# Altium PCB PCB-Tester-Board-V1.PcbDoc (part 7 of 7)
Units mil, origin at the board's own origin, x right, y up, seen from the top; angles counter-clockwise.
Board outline 15748.03 x 11811.02 mil, 8 copper layers (Top Layer, Inner1, Inner2, Inner3, Inner4, Inner5, Inner6, Bottom Layer), stack 59.646 mil thick; 751 components, 658 nets, 2830 pads, 1014 vias.
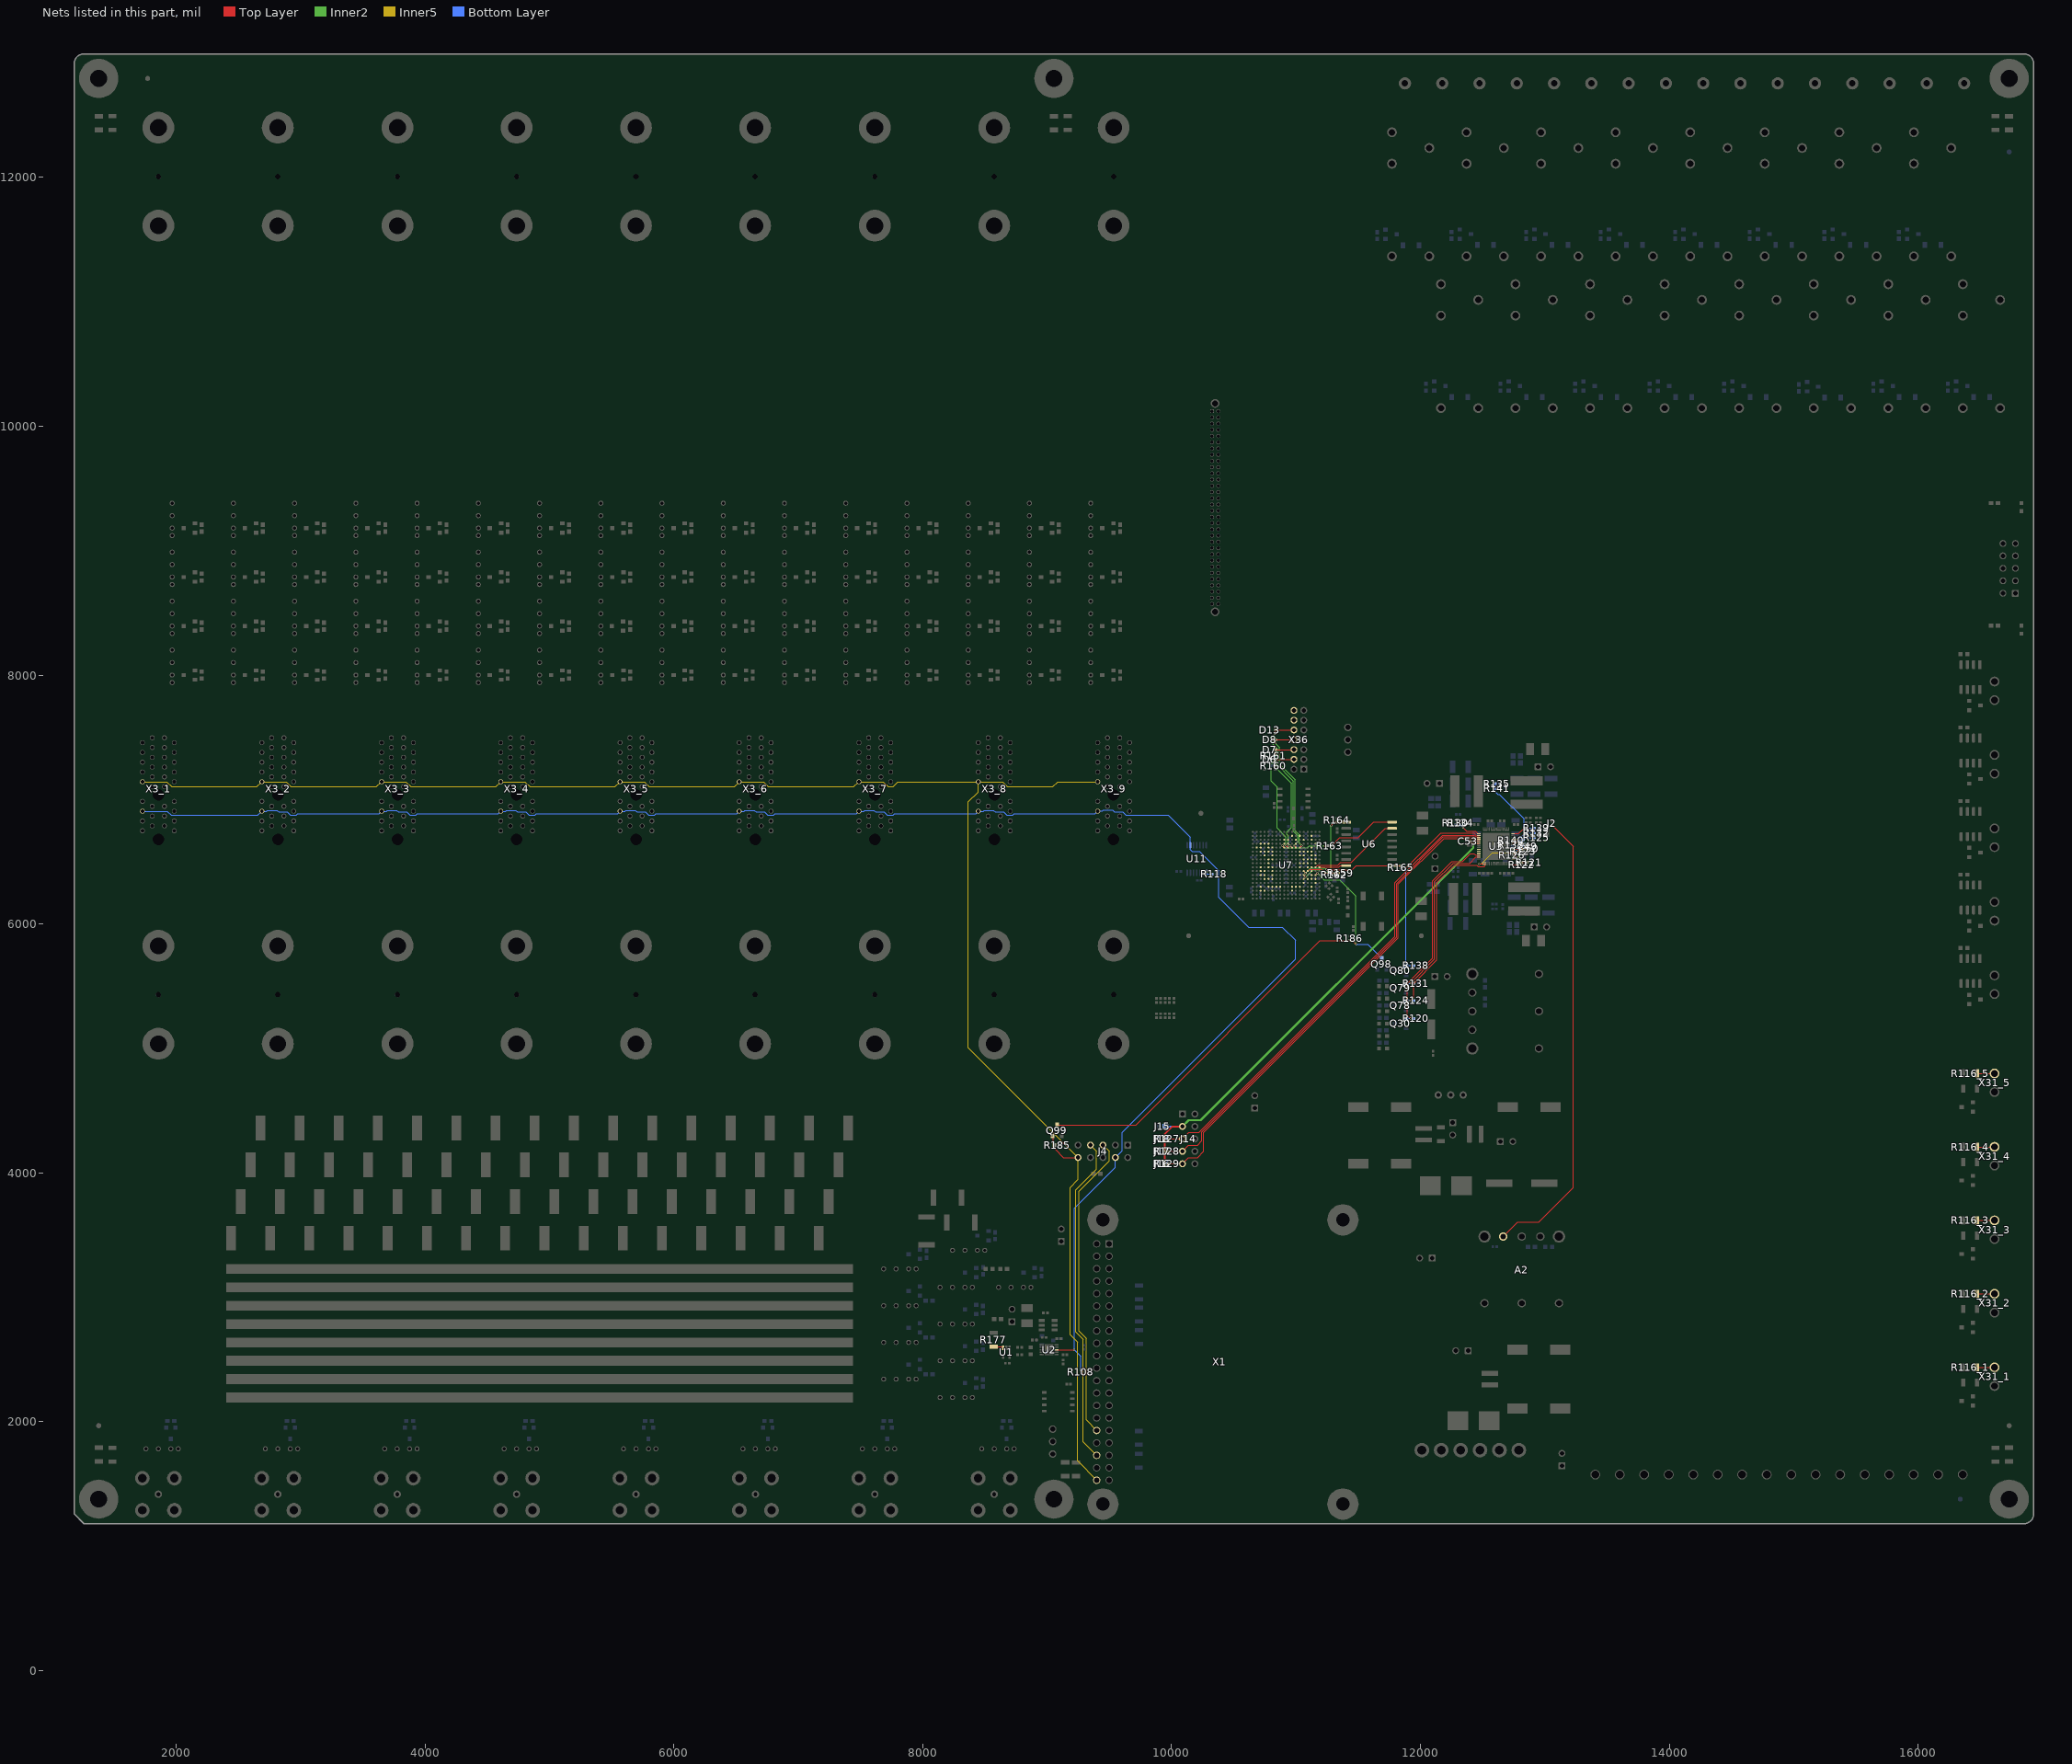
[diagram p13: the nets of this part, all layers, seen from the top]

## Via types
v1: diameter 15.75, hole 7.87, Top Layer to Bottom Layer, 599 vias
v2: diameter 31.5, hole 11.81, Top Layer to Bottom Layer, 361 vias
v3: diameter 27.56, hole 11.81, Top Layer to Bottom Layer, 54 vias

## Nets (pads, with @x,y where several pads share a name; then routed paths per layer and width w, separated by ;. In a path a pad name is that pad's centre, name@x,y a point inside that pad or via, vN(x,y) a via of type N, cw(c..) or ccw(c..) an arc to the next point about the centre after c; other vN are vias at no path point) (continued)
NetR116_1_1: R116_1.1 X31_1.2 | length 141.7
  Top Layer w8: R116_1.1@16472.44,2437.2 X31_1.2@16614.17,2437.2
NetR116_2_1: R116_2.1 X31_2.2 | length 141.7
  Top Layer w8: R116_2.1@16472.44,3027.76 X31_2.2@16614.17,3027.76
NetR116_3_1: R116_3.1 X31_3.2 | length 141.7
  Top Layer w8: R116_3.1@16472.44,3618.31 X31_3.2@16614.17,3618.31
NetR116_4_1: R116_4.1 X31_4.2 | length 141.7
  Top Layer w8: R116_4.1@16472.44,4208.86 X31_4.2@16614.17,4208.86
NetR116_5_1: R116_5.1 X31_5.2 | length 141.7
  Top Layer w8: R116_5.1@16472.44,4799.41 X31_5.2@16614.17,4799.41
NetR118_2: R118.2 U11.8 | length 55
  Bottom Layer w6: U11.8@10279.53,6411.42 10279.53,6405.15 10283.12,6401.56 R118.2@10326.75,6401.56
NetR121_1: R121.1 R122.1 U3.42 | length 165.9
  Top Layer w6: U3.42@12710.63,6486.22 12710.63,6476.97 12711.96,6475.64 12788.17,6475.64 12798.65,6486.12 12808.96,6486.12 R122.1@12814.96,6492.13 12818.9,6496.06 R121.1@12858.27,6496.06
NetR125_1: R125.1 R126.1 U3.44 | length 322.9
  Top Layer w6: U3.44@12746.06,6537.4 v1(12781.28,6537.4)
  Bottom Layer w6: v1(12781.28,6537.4) 12781.14,6537.54 12769.55,6537.54 R126.1@12751.97,6555.12 12779.95,6583.1 12779.95,6606.87 12803.37,6630.28 12803.37,6655.44 12811.45,6663.53 12824.28,6663.53 12853.67,6692.91 R125.1@12917.32,6692.91
NetR130_1: R130.1 R134.2 U3.15 | length 216.1
  Top Layer w6: v1(12343.55,6774.61) 12372.19,6745.98 12440.96,6745.98 12459.23,6727.71 12469.14,6727.71 U3.15@12470.47,6726.38
  Bottom Layer w6: R134.2@12322.65,6795.75 12330.48,6787.92 12330.48,6787.68 v1(12343.55,6774.61)
  Bottom Layer w10: R130.1@12283.28,6795.75 R134.2@12322.65,6795.75
NetR132_1: R132.1 R133.1 U3.51 | length 249.5
  Top Layer w6: U3.51@12746.06,6647.64 12746.97,6648.54 12763.16,6648.54 12769.76,6655.13 12776.13,6655.13 v1(12778,6657)
  Bottom Layer w6: R133.1@12744.75,6633.63 12752.57,6641.46 12767.13,6656.01 12777.01,6656.01 v1(12778,6657) 12777.9,6657 12799.25,6678.35 12811.83,6678.35 12865.76,6732.28 R132.1@12917.32,6732.28
NetR135_1: R135.1 R141.2 U3.56 | length 566.8
  Top Layer w6: U3.56@12746.06,6726.38 12791.14,6726.38 v1@12832.93,6768.17
  Bottom Layer w6: R141.2@12601.33,7088.63 12601.33,7064.37 12622.57,7043.13 12634.87,7043.13 12832.68,6845.32 v1@12832.68,6768.43
  Bottom Layer w10: R141.2@12601.33,7088.63 R135.1@12601.33,7128
  other v1: 12832.68,6768.17
NetR139_1: R139.1 R140.1 U3.53 | length 240.5
  Top Layer w6: U3.53@12746.06,6679.13 12746.2,6679 v1(12773,6679)
  Bottom Layer w6: R140.1@12744.75,6673 12750.88,6679.13 12751.02,6679 v1(12773,6679) 12773.7,6679 12787.61,6692.91 12804.86,6692.91 12883.6,6771.65 R139.1@12917.32,6771.65
NetR159_1: R159.1 R162.2 U7.L15 | length 265.1
  Top Layer w5: U7.L15@11094.49,6425.2 11110.24,6440.94 11204.72,6440.94
  Top Layer w6: 11204.72,6440.94 11236.22,6409.45 ; R159.1@11338.67,6409.45 R159.1@11339.6,6408.52
  Top Layer w8: 11236.22,6409.45 11275.59,6409.45 R162.2@11305.97,6409.45 R159.1@11338.67,6409.45
NetR163_1: R163.1 U7.E9 | length 401.3
  Top Layer w6: v1(10889.76,6629.92) U7.E9@10905.51,6614.17 ; v1(11230.53,6629.52) 11255.82,6629.52 R163.1@11255.91,6629.43
  Inner2 w5: 10905.51,6614.17 11094.49,6614.17
  Inner2 w6: v1(10889.76,6629.92) 10905.51,6614.17 ; 11094.49,6614.17 11109.83,6629.52 v1(11230.53,6629.52)
NetR163_2: R163.2 U6.16 | length 563.6
  Top Layer w6: R163.2@11287.4,6629.43 11350.88,6692.91 11500,6692.91 11626.09,6819 U6.16@11772.45,6819
NetR164_1: R164.1 U6.1 U7.M14 | length 748.7
  Top Layer w6: U7.M14@11062.99,6393.7 v1(11078.74,6377.95) ; v1(11283.46,6790.35) 11312.01,6818.9 R164.1@11330.71,6818.9 11330.81,6819 U6.1@11403.55,6819
  Inner2 w6: v1(11078.74,6377.95) 11136.51,6435.73 11220.11,6435.73 11238.78,6417.05 11257.44,6417.05 11283.46,6443.08 v1(11283.46,6790.35)
NetR165_1: R165.1 U6.9 U7.L14 | length 821.3
  Top Layer w6: U7.L14@11062.99,6425.2 v1(11078.74,6409.45) ; v1(11248.03,6437.01) 11451.26,6437.01 11483.25,6469 U6.9@11772.45,6469 11772.94,6468.5 R165.1@11842.52,6468.5
  Inner2 w6: v1(11078.74,6409.45) 11118.89,6449.59 11235.44,6449.59 v1(11248.03,6437.01)
NetR177_1: R177.1 U1.3 | length 82.2
  Top Layer w6: R177.1@8569.96,2604.67 8639.42,2604.67 8645.67,2598.42 U1.3@8645.67,2594.49
NetU3_23: U3.23
NetU3_24: U3.24
NetU3_25: U3.25
NetU3_43: U3.43
NetU3_45: U3.45 U3.46 | length 53.4
  Top Layer w6: U3.45@12746.06,6553.15 12746.39,6553.48 12763.75,6553.48 12767.26,6556.99 12767.26,6565.07 12763.75,6568.58 12746.38,6568.58 U3.46@12746.23,6568.73
NetU6_8: U6.8 U7.K18 | length 219.7
  Top Layer w6: U7.K18@11188.98,6456.69 11343.68,6456.69 11355.99,6469 U6.8@11403.55,6469
NetU6_15: U6.15 U7.K17 | length 744.3
  Top Layer w5: 11173.23,6472.44 11204.72,6472.44
  Top Layer w6: U7.K17@11157.48,6456.69 11173.23,6472.44 ; 11204.72,6472.44 11337.6,6472.44 11359.05,6493.9 11443.31,6493.9 11718.42,6769 U6.15@11772.45,6769
NetU7_B11: U7.B11
NetU7_B13: U7.B13
NetU7_B16: U7.B16
NetU7_C9: U7.C9
NetU7_C10: U7.C10
NetU7_C12: U7.C12
NetU7_C14: U7.C14
NetU7_C16: U7.C16
NetU7_D3: U7.D3
NetU7_D4: U7.D4
NetU7_D5: U7.D5
NetU7_D9: U7.D9
NetU7_D10: U7.D10
NetU7_D12: U7.D12
NetU7_D17: U7.D17
NetU7_E2: U7.E2
NetU7_E3: U7.E3
NetU7_E5: U7.E5
NetU7_E6: U7.E6
NetU7_E16: U7.E16
NetU7_F3: U7.F3
NetU7_F4: U7.F4
NetU7_F5: U7.F5
NetU7_F6: U7.F6
NetU7_F13: U7.F13
NetU7_F14: U7.F14
NetU7_F15: U7.F15
NetU7_F16: U7.F16
NetU7_G4: U7.G4
NetU7_G6: U7.G6
NetU7_G13: U7.G13
NetU7_G14: U7.G14
NetU7_G16: U7.G16
NetU7_G17: U7.G17
NetU7_H5: U7.H5
NetU7_H6: U7.H6
NetU7_H14: U7.H14
NetU7_H15: U7.H15
NetU7_H16: U7.H16
NetU7_H17: U7.H17
NetU7_J5: U7.J5
NetU7_J13: U7.J13
NetU7_J14: U7.J14
NetU7_J15: U7.J15
NetU7_J17: U7.J17
NetU7_K3: U7.K3
NetU7_K5: U7.K5
NetU7_K6: U7.K6
NetU7_K13: U7.K13
NetU7_K15: U7.K15
NetU7_K16: U7.K16
NetU7_L3: U7.L3
NetU7_L4: U7.L4
NetU7_L6: U7.L6
NetU7_L16: U7.L16
NetU7_M3: U7.M3
NetU7_M4: U7.M4
NetU7_M6: U7.M6
NetU7_M13: U7.M13
NetU7_M16: U7.M16
NetU7_N4: U7.N4
NetU7_N5: U7.N5
NetU7_N6: U7.N6
NetU7_N14: U7.N14
NetU7_N15: U7.N15
NetU7_N16: U7.N16
NetU7_N17: U7.N17
NetU7_P14: U7.P14
NetU7_P17: U7.P17
NetU7_R3: U7.R3
NetU7_R5: U7.R5
NetU7_R6: U7.R6
NetU7_R7: U7.R7
NetU7_R8: U7.R8
NetU7_R11: U7.R11
NetU7_R12: U7.R12
NetU7_R13: U7.R13
NetU7_R16: U7.R16
NetU7_T3: U7.T3
NetU7_T4: U7.T4
NetU7_T6: U7.T6
NetU7_T11: U7.T11
NetU7_T14: U7.T14
NetU7_T16: U7.T16
NetX36_12: X36.12
NetX36_14: X36.14
nRST: Q98.3 Q99.3 R186.2 U7.M17 | length 4081.2
  Top Layer w6: Q99.3@9080.71,4385.83 9713.33,4385.83 11193.9,5866.41 11429.4,5866.41 R186.2@11433.07,5870.08 11436.79,5866.36 11454.33,5866.36 v1(11482.91,5837.79) ; U7.M17@11157.48,6393.7 v1(11173.23,6409.45)
  Inner2 w6: v1(11173.23,6409.45) 11227.13,6355.55 11353.01,6355.55 11482.91,6225.65 v1(11482.91,5837.79)
  Bottom Layer w6: v1(11482.91,5837.79) 11578.22,5837.79 11689.63,5726.38 Q98.3@11689.63,5724.41
P12V0D_S: A2.7 J2.2 | length 3711.4
  Top Layer w6: A2.7@12665.35,3488.19 12781.98,3604.82 12952.23,3604.82 13227.83,3880.42 13227.83,6623.92 13058.91,6792.84 J2.2@13056,6795.75
PG_A_29: Q30.1 R120.1 U3.26 | length 1733.1
  Top Layer w6: v1(11921.26,5240.16) 11896.03,5265.39 11896.03,5524.37 12097.04,5725.38 12097.04,6345.27 12255.13,6503.36 12339.87,6503.36 12402.5,6566 12431.42,6566 12444.26,6553.15 U3.26@12470.47,6553.15
  Bottom Layer w8: Q30.1@11885.83,5237.4 11888.58,5240.16 v1(11921.26,5240.16) R120.1@11948.82,5240.16
PG_B_29: Q78.1 R124.1 U3.30 | length 1567.1
  Top Layer w6: v1(11921.26,5385.17) 11946.49,5410.4 11946.49,5524.45 12132.66,5710.62 12132.66,6330.52 12276.38,6474.24 12452.32,6474.24 12464.56,6462 12515,6462 12521.44,6468.44 12521.44,6486 U3.30@12521.65,6486.22
  Bottom Layer w8: Q78.1@11888.58,5385.17 v1(11921.26,5385.17) R124.1@11948.82,5385.17
PG_C_29: Q79.1 R131.1 U3.27 | length 1392.2
  Top Layer w6: v1(11921.26,5524.41) 12114.85,5718 12114.85,6337.9 12265.95,6488.99 12395.93,6488.99 12444.34,6537.4 U3.27@12470.47,6537.4
  Bottom Layer w8: Q79.1@11888.58,5524.41 v1(11921.26,5524.41) R131.1@11948.82,5524.41
PG_D_29: Q80.1 R138.1 U3.16 | length 1555.9
  Top Layer w6: v1(11885.83,6450.59) 12165.35,6730.12 12430.95,6730.12 12450.44,6710.63 U3.16@12470.47,6710.63
  Bottom Layer w6: Q80.1@11885.83,5663.39 v1(11885.83,6450.59)
  Bottom Layer w8: Q80.1@11888.58,5666.14 11921.26,5666.14 R138.1@11948.82,5666.14
RST_F_1: J4.10 Q99.1 R185.2 X1.40 X3_1.B10 X3_2.B10 X3_3.B10 X3_4.B10 X3_5.B10 X3_6.B10 X3_7.B10 X3_8.B10 X3_9.B10 | length 14386.2
  Top Layer w6: Q99.1@9043.31,4295.28 Q99.1@9047.87,4290.71 ; R185.2@9047.87,4232.44 R185.2@9052.48,4227.84
  Top Layer w8: R185.2@9047.87,4232.44 Q99.1@9047.87,4290.71 ; R185.2@9052.48,4227.84 R185.2@9054.56,4225.76 ; R185.2@9057.09,4223.23 9062.77,4217.54 9062.77,4191.95 9131.5,4123.23 J4.10@9248.82,4123.23
  Inner5 w8: X3_1.B10@1729.82,7142.83 1924.1,7142.83 1963.47,7103.46 2650.1,7103.46 X3_2.B10@2689.47,7142.83 2883.74,7142.83 2923.11,7103.46 3609.74,7103.46 X3_3.B10@3649.11,7142.83 ; X3_3.B10@3651.57,7142.83 3845.85,7142.83 3885.22,7103.46 4571.85,7103.46 X3_4.B10@4611.22,7142.83 ; X3_4.B10@4608.76,7142.83 4803.03,7142.83 4842.4,7103.46 5529.04,7103.46 X3_5.B10@5568.41,7142.83 5762.68,7142.83 5802.05,7103.46 6488.68,7103.46 X3_6.B10@6528.05,7142.83 ; X3_6.B10@6525.59,7142.83 6719.87,7142.83 6759.24,7103.46 7445.87,7103.46 X3_7.B10@7485.24,7142.83 ; X3_7.B10@7487.7,7142.83 7681.97,7142.83 7721.34,7103.46 7762.34,7103.46 7801.71,7142.83 X3_8.B10@8447.34,7142.83 ; X1.40@9398.57,1530.32 9243.72,1685.16 9243.72,2641.33 9184.66,2700.39 9184.66,3882.61 9248.82,3946.76 J4.10@9248.82,4123.23 8367.6,5004.44 8367.6,6981.78 8447.34,7061.52 X3_8.B10@8447.34,7142.83 ; X3_9.B10@9407.01,7142.83 9085.45,7142.83 9046.08,7103.46 8680.99,7103.46 8641.62,7142.83 X3_8.B10@8447.34,7142.83
SCLK_1: J4.4 R108.1 U2.8 U11.2 X3_1.B14 X3_2.B14 X3_3.B14 X3_4.B14 X3_5.B14 X3_6.B14 X3_7.B14 X3_8.B14 X3_9.B14 | length 14495.4
  Top Layer w6: U2.8@9074.8,2578.74 v1(9217.72,2578.74)
  Bottom Layer w6: X3_1.B14@1729.82,6906.61 1928.39,6906.61 1960.51,6874.49 2657.35,6874.49 X3_2.B14@2689.47,6906.61 2728.25,6906.61 2735.56,6913.91 2810.95,6913.91 2825.21,6899.66 2892.34,6899.66 2917.59,6874.41 2965.88,6874.41 2977.78,6886.32 3631.28,6886.32 X3_3.B14@3651.57,6906.61 3690.36,6906.61 3697.66,6913.91 3773.06,6913.91 3787.31,6899.66 3854.45,6899.66 3879.7,6874.41 3927.98,6874.41 3939.89,6886.32 4588.46,6886.32 X3_4.B14@4608.76,6906.61 4647.54,6906.61 4654.85,6913.91 4730.24,6913.91 4744.5,6899.66 4811.63,6899.66 4836.88,6874.41 4885.17,6874.41 4897.07,6886.32 5548.11,6886.32 X3_5.B14@5568.41,6906.61 5607.19,6906.61 5614.49,6913.91 5689.89,6913.91 5704.14,6899.66 5771.28,6899.66 5796.53,6874.41 5844.81,6874.41 5856.72,6886.32 6505.3,6886.32 X3_6.B14@6525.59,6906.61 X3_6.B14@6528.05,6906.61 ; X3_6.B14@6530.51,6906.61 6564.37,6906.61 6571.68,6913.91 6647.07,6913.91 6661.33,6899.66 6728.46,6899.66 6753.71,6874.41 6802,6874.41 6813.9,6886.32 7467.4,6886.32 X3_7.B14@7487.7,6906.61 7526.48,6906.61 7533.78,6913.91 7609.18,6913.91 7623.43,6899.66 7690.57,6899.66 7715.82,6874.41 7764.1,6874.41 7776.01,6886.32 8427.05,6886.32 X3_8.B14@8447.34,6906.61 8486.13,6906.61 8493.43,6913.91 8568.82,6913.91 8583.08,6899.66 8650.22,6899.66 8675.47,6874.41 8723.75,6874.41 8735.66,6886.32 9386.71,6886.32 X3_9.B14@9407.01,6906.61 ; R108.1@9271.65,2416.54 9271.65,2524.81 v1(9217.72,2578.74) 9217.72,3714.13 9548.82,4045.23 J4.4@9548.82,4123.23 9602.36,4176.77 9602.36,4323.94 10995.63,5717.21 10995.63,5871.39 10891.81,5975.21 10619.3,5975.21 10381.7,6212.81 10381.7,6426.68 10225.52,6582.87 10167.2,6582.87 10151.57,6598.49 U11.2@10151.57,6633.86 10151.57,6696.77 9973.93,6874.42 9633.89,6874.42 9608.04,6900.27 9540.9,6900.27 9526.64,6914.53 9451.25,6914.53 9443.95,6907.23 X3_9.B14@9405.16,6907.23
SIG1_2: J4.5 X1.32 | length 2474.3
  Inner5 w8: X1.32@9398.57,1930.32 9314.96,2013.92 9314.96,2670.84 9255.91,2729.9 9255.91,3853.1 9500,4097.19 9500,4172.05 J4.5@9448.82,4223.23
SIG2_2: J4.7 X1.36 | length 2650.6
  Inner5 w8: J4.7@9348.82,4223.23 9397.64,4174.41 9397.64,4028.41 9232.16,3862.93 9232.16,2720.06 9291.21,2661 9291.21,1837.67 X1.36@9398.57,1730.32
SMBUS.ALERT#: J14.5 J18.1 R127.1 U3.17 | length 3901.5
  Top Layer w6: R127.1@9976.36,4273.23 J14.5@10087.8,4273.23 10138.37,4323.8 10220.48,4323.8 11796.35,5899.67 11796.35,6331.17 12178.78,6713.6 12429.98,6713.6 12448.7,6694.88 U3.17@12470.47,6694.88
  Bottom Layer w6: J18.1@9951.76,4273.23 J14.5@10087.8,4273.23
SMBUS.CLK: J14.7 J17.1 R128.1 U3.18 | length 3980.8
  Top Layer w6: R128.1@9976.36,4172.98 10088.05,4172.98 10137.71,4222.64 10209.47,4222.64 10244.37,4257.54 10244.37,4329.3 11809.35,5894.28 11809.35,6325.79 12184.17,6700.6 12425.82,6700.6 12447.29,6679.13 U3.18@12470.47,6679.13
  Bottom Layer w6: J17.1@9951.76,4173.23 J14.7@10087.8,4173.23
SMBUS.DATA: J14.9 J16.1 R129.1 U3.19 | length 4065.9
  Top Layer w6: R129.1@9976.36,4073.23 J14.9@10087.8,4073.23 10137.84,4123.27 10210.57,4123.27 10259.39,4172.09 10259.39,4325.89 11822.39,5888.88 11822.39,6320.39 12189.57,6687.57 12421.55,6687.57 12445.73,6663.39 U3.19@12470.47,6663.39
  Bottom Layer w6: J16.1@9951.76,4073.23 J14.9@10087.8,4073.23
SMBUS.VDDIO: C53.1 J14.3 J15.1 R127.2 R128.2 R129.2 U3.20 | length 3931.4
  Top Layer w8.66: C53.1@12399.5,6663.39 12403.83,6659.06 v1(12426.03,6659.06) 12437.45,6647.64 U3.20@12470.47,6647.64
  Top Layer w15: R129.2@9944.86,4073.23 R127.2@9944.86,4273.23 9944.86,4311.96 10006.12,4373.23 J14.3@10087.8,4373.23
  Inner2 w15: J14.3@10087.8,4373.23 10137.76,4423.2 10234.22,4423.2 12426.03,6615.01 v1(12426.03,6659.06)
  Bottom Layer w15: J15.1@9951.76,4373.23 J14.3@10087.8,4373.23
TCK_18: D7.2 R161.1 U7.E10 X36.6 | length 1030.7
  Top Layer w6: v1(10834.65,7374.02) D7.2@10834.65,7401.57 X36.6@10984.25,7401.57 ; v1(10921.26,6629.92) U7.E10@10937.01,6614.17
  Inner2 w6: v1(10834.65,7374.02) 10801.72,7341.09 10801.72,7149.07 10848.23,7102.56 10848.23,6772.84 10921.26,6699.8 v1(10921.26,6629.92)
  Bottom Layer w6: R161.1@10833.66,7350.39 10834.65,7351.38 v1(10834.65,7374.02)
TDI_18: D13.2 U7.E11 X36.10 | length 1228.8
  Top Layer w6: v1(10834.65,7531.5) D13.2@10834.65,7559.06 X36.10@10984.25,7559.06 ; v1(10952.76,6629.92) U7.E11@10968.5,6614.17
  Inner2 w6: v1(10834.65,7531.5) 10814.96,7511.81 10814.96,7444.88 10854.33,7405.51 10854.33,7358.27 10814.96,7318.9 10814.96,7279.53 10963.36,7131.13 10963.36,6776.35 10927.17,6740.16 10927.17,6718.5 10937.01,6708.66 10937.01,6645.67 v1(10952.76,6629.92)
TDO_18: D8.2 U7.E13 X36.8 | length 1110.3
  Top Layer w6: v1(10834.65,7452.76) D8.2@10834.65,7480.31 X36.8@10984.25,7480.31 ; U7.E13@11031.5,6614.17 v1(11047.24,6629.92)
  Inner2 w6: v1(10834.65,7452.76) 10869.27,7418.13 10869.27,7284.28 10994.46,7159.08 10994.46,6749.36 11027.47,6716.36 11027.47,6649.7 v1(11047.24,6629.92)
TMS_18: D6.2 R160.1 U7.E12 X36.4 | length 975.8
  Top Layer w6: v1(10834.65,7295.28) D6.2@10834.65,7322.83 X36.4@10984.25,7322.83 ; v1(10984.25,6629.92) U7.E12@11000,6614.17
  Inner2 w6: v1(10834.65,7295.28) 10979.47,7150.45 10979.47,6744.78 11014.42,6709.83 11014.42,6660.09 v1(10984.25,6629.92)
  Bottom Layer w6: R160.1@10833.66,7271.65 10834.65,7272.64 v1(10834.65,7295.28)
Vcc_29: C49.1 C50.1 R123.2 U3.29 U3.48 | length 575.9
  Top Layer w8: v1(12472,6482) 12505.57,6482 12505.91,6482.33 U3.29@12505.91,6486.22
  Top Layer w8.66: U3.48@12746.06,6600.39 v1(12800.61,6600.39) R123.2@12824.8,6600.39 12828.74,6604.33 C50.1@12858.27,6604.33
  Inner5 w8: v1(12472,6482) 12488.45,6482 12578.93,6572.48 12772.69,6572.48 v1(12800.61,6600.39)
  Bottom Layer w18: v1(12800.61,6600.39) 12806.66,6606.44 12822.98,6606.44 12832.68,6616.14 C49.1@12832.68,6624.02
pads on no net: AOI1.0 AOI2.0 AOI3.0 AOI5.0 AOI6.0 AOI7.0 AOI9.0 AOI10.0 AOI11.0 D3_1.2 D3_2.2 D3_3.2 D3_4.2 D3_5.2 M1_1.0 M1_2.0 M1_3.0 M1_4.0 M1_5.0 M1_6.0 M1_7.0 M1_8.0 M1_9.0 M2_1.0 M2_2.0 M2_3.0 M2_4.0 M2_5.0 M2_6.0 M2_7.0 M2_8.0 M2_9.0 U5.3 U5.5 U6.3 U6.4 U6.5 U6.6 U6.11 U6.12 U6.13 U6.14 X1.0 X3_1.0 X3_2.0 X3_3.0 X3_4.0 X3_5.0 X3_6.0 X3_7.0 X3_8.0 X3_9.0 X28.0

## Polygon pours and split planes (outlines as drawn)
GND on Top Layer "GND" (solid, remove dead copper, pour order 17): 12914.37,6650.59 12878.94,6615.16 12878.94,6554.13 12914.32,6518.75 12936.07,6518.75 12938.98,6521.65 12938.98,6641.73 12930.12,6650.59
GND on Top Layer "GND" (solid, remove dead copper, pour order 14): 12774.54,6809.65 12814.14,6809.65 12818.72,6805.07 12818.72,6781.53 12799,6761.81 12785.37,6761.81 12774.54,6772.64
GND on Top Layer "GND" (solid, remove dead copper, pour order 13): 12443.67,6809.64 12404.07,6809.64 12399.5,6805.07 12399.5,6781.52 12419.21,6761.81 12432.85,6761.81 12443.67,6772.64
GND on Top Layer "GND" (solid, remove dead copper, pour order 12): 12485.24,6437.95 12480.79,6442.4 12463.58,6442.4 12458.12,6436.93 12458.12,6366.46 12472.69,6366.46 12485.24,6379.01
GND on Top Layer "GND" (solid, remove dead copper, pour order 11): 12731.3,6418.31 12741.3,6428.31 12765.69,6428.31 12771.85,6422.15 12771.85,6402.85 12765.65,6396.65 12731.3,6396.65
12V0 on Top Layer "12V0" (solid, remove dead copper, pour order 56): 9420.45,6945.98 9468.79,6897.64 9599.45,6897.64 9647.8,6945.98 9704.74,6945.98 9704.74,7061.63 9609.62,7156.75 9460.3,7156.75 9334.67,7031.12 9334.67,6945.98
12V0 on Top Layer "12V0" (solid, remove dead copper, pour order 55): 8460.78,6945.98 8509.13,6897.64 8639.79,6897.64 8688.13,6945.98 8745.08,6945.98 8745.08,7061.63 8649.96,7156.75 8500.63,7156.75 8375,7031.12 8375,6945.98
12V0 on Top Layer "12V0" (solid, remove dead copper, pour order 54): 7501.14,6945.98 7549.48,6897.64 7680.14,6897.64 7728.49,6945.98 7785.43,6945.98 7785.43,7061.63 7690.31,7156.75 7540.99,7156.75 7415.35,7031.12 7415.35,6945.98
12V0 on Top Layer "12V0" (solid, remove dead copper, pour order 53): 6539.03,6945.98 6587.37,6897.64 6718.04,6897.64 6766.38,6945.98 6823.33,6945.98 6823.33,7061.63 6728.21,7156.75 6578.88,7156.75 6453.25,7031.12 6453.25,6945.98
12V0 on Top Layer "12V0" (solid, remove dead copper, pour order 52): 5581.85,6945.98 5630.19,6897.64 5760.85,6897.64 5809.19,6945.98 5866.14,6945.98 5866.14,7061.63 5771.02,7156.75 5621.69,7156.75 5496.06,7031.12 5496.06,6945.98
12V0 on Top Layer "12V0" (solid, remove dead copper, pour order 51): 4622.2,6945.98 4670.54,6897.64 4801.21,6897.64 4849.55,6945.98 4906.5,6945.98 4906.5,7061.63 4811.38,7156.75 4662.05,7156.75 4536.42,7031.12 4536.42,6945.98
12V0 on Top Layer "12V0" (solid, remove dead copper, pour order 50): 3665.02,6945.98 3713.36,6897.64 3844.02,6897.64 3892.36,6945.98 3949.31,6945.98 3949.31,7061.63 3854.19,7156.75 3704.86,7156.75 3579.23,7031.12 3579.23,6945.98
12V0 on Top Layer "12V0" (solid, remove dead copper, pour order 49): 2702.91,6945.98 2751.25,6897.64 2881.91,6897.64 2930.26,6945.98 2987.2,6945.98 2987.2,7061.63 2892.08,7156.75 2742.76,7156.75 2617.13,7031.12 2617.13,6945.98
5V0R on Top Layer "5V0R" (solid, remove dead copper, pour order 32): 7909.45,2358.27
5V0R on Top Layer "5V0R" (solid, remove dead copper, pour order 31): 7887.01,2362.52
12V0 on Top Layer "12V0" (solid, remove dead copper, pour order 29): 1743.26,6945.98 1791.61,6897.64 1922.27,6897.64 1970.61,6945.98 2027.56,6945.98 2027.56,7061.63 1932.44,7156.75 1783.11,7156.75 1657.48,7031.12 1657.48,6945.98
5V0R on Top Layer "5V0R" (solid, remove dead copper, pour order 27): 15366.14,8433.07 16775.59,9842.52 16775.59,9996.06 16720.47,10051.18 12019.68,10051.18 11964.57,9996.06 11964.57,9543.31 13074.8,8433.07
12V0 on Top Layer "12V0" (solid, remove dead copper, pour order 9): 12721.46,6396.65 12721.46,6438.43 12713.53,6446.36 12684.06,6446.36 12684.06,6428.64 12689.47,6428.64 12699.8,6418.31 12699.8,6396.65
12V0 on Top Layer "12V0" (solid, remove dead copper, pour order 7): 12495.08,6396.65 12495.08,6438.43 12503,6446.36 12532.48,6446.36 12532.48,6428.64 12527.07,6428.64 12516.73,6418.31 12516.73,6396.65
NetC46_2 on Top Layer "NetC46_2" (solid, pour order 6): 12490.16,6397.64
12V0 on Top Layer "12V0" (solid, remove dead copper, pour order 5): 12674.8,6747.83 12674.8,6798.82 12699.8,6823.82 12729.18,6823.82 12756,6797 12756,6788.87 12714.96,6747.83
12V0 on Top Layer "12V0" (solid, remove dead copper, pour order 4): 12541.73,6747.83 12541.73,6798.82 12516.73,6823.82 12488.82,6823.82 12460,6795 12460,6789.41 12501.57,6747.83
NetC57_2 on Top Layer "NetC57_2" (solid, remove dead copper, pour order 3): 12647.64,6814.96 12652.56,6819.88 12652.56,6841.54 12664.46,6853.43 12684.06,6853.43 12769.62,6939 12802,6939 12816,6953 12816,6971 12787.69,6999.31 12714.98,6999.31 12615,6899.33 12615,6747.83 12647.64,6747.83
NetC55_2 on Top Layer "NetC55_2" (solid, remove dead copper, pour order 2): 12568,6747.83 12602,6747.83 12602,6899.69 12486.69,7015 12453,7015 12429.35,6991.35 12429.35,6938.68 12467.84,6900.18 12521.65,6900.18 12563.98,6857.86 12563.98,6819.88 12568,6815.86
NetC40_2 on Top Layer "NetC40_2" (solid, remove dead copper, pour order 1): 12616.14,6500.2 12631.89,6500.2 12631.89,6438.98 12652.56,6418.31 12652.56,6385.46 12705.06,6332.97 12899.03,6332.97 12916,6316 12916,6273.02 12901.15,6258.17 12705.06,6258.17 12616.14,6347.08
NetC46_2 on Top Layer "NetC46_2" (solid, remove dead copper, pour order 0): 12584.65,6500.09 12584.65,6438.98 12563.98,6418.31 12563.98,6387.8 12504.82,6328.64 12471.64,6328.64 12452,6309 12452,6098.04 12477.31,6072.73 12498.73,6072.73 12498.73,6245.63 12600.39,6347.29 12600.39,6405.91 12600.39,6499.68
GND on Bottom Layer "GND" (solid, remove dead copper, pour order 42): 11329.72,6157.87 11326.4,6154.54 11239.16,6154.54 11226.38,6167.32 10616.14,6167.32 10616.14,6777.56 11250.98,6777.56 11250.98,6472.44 11250.98,6451.57 11329.72,6372.83
3V3 on Bottom Layer "3V3" (solid, remove dead copper, pour order 39): 10618.39,6167.32 10634.28,6151.44 10880.07,6151.44 10921.3,6110.2 10921.3,6062.99 10955.71,6097.4 10955.71,6114.17 10973.12,6131.58 11055.9,6131.58 11091.64,6167.32 11226.38,6167.32 11226.38,6777.56 10952.15,6777.56 10920.39,6809.32 10920.39,6822.97 10912.68,6830.68 10897.61,6830.68 10879.39,6812.46 10651.04,6812.46 10616.14,6777.56 10616.14,6167.32
1V0 on Bottom Layer "1V0" (solid, remove dead copper, pour order 41): 10779.53,6314.96 10779.53,6629.92 11005.71,6629.92 11005.71,6314.96
1V8 on Bottom Layer "1V8" (solid, remove dead copper, pour order 38): 10984.25,6346.46 10984.25,6645.67 11088.78,6645.67 11088.78,6346.46
GND on Bottom Layer "GND" (solid, remove dead copper, pour order 15): 12364,6530.51 12364,6505.11 12376,6493.11 12730.32,6493.11 12761.81,6461.61 12761.81,6407.19 12766,6403 12816.2,6403 12864.17,6450.97 12864.17,6455.71 12828.74,6491.14 12808.28,6491.14 12787.61,6511.81 12749.02,6511.81 12730.32,6530.51 12730.32,6703.96 12731.54,6705.18 12798.46,6705.18 12798.46,6766.06 12818.72,6786.31 12818.72,6805.07 12816.43,6807.36 12804.73,6807.36 12739.96,6742.58 12487.46,6742.58 12486.46,6743.58 12461.9,6743.58 12438.26,6767.22 12438.26,6779.62 12412.82,6805.07 12399.5,6805.07 12399.5,6726.22 12458.12,6667.59 12458.12,6575.12 12444,6561 12392,6561 12364.07,6533.07
GND on Bottom Layer "GND" (solid, remove dead copper, pour order 21): 12308.07,6909.59 12308.07,6869.09 12382.27,6869.09 12460.65,6947.48 12460.65,7272.05 12390.15,7342.55 12374.9,7342.55 12352.65,7320.3 12352.65,6942.21 12347.15,6936.71 12335.19,6936.71
GND on Bottom Layer "GND" (solid, remove dead copper, pour order 20): 12288.39,6357.07 12288.39,6388.78 12371.37,6388.78 12439.98,6320.17 12439.98,5995.6 12369.48,5925.1 12354.22,5925.1 12331.98,5947.34 12331.98,6325.43 12326.48,6330.94 12314.51,6330.94
GND on Bottom Layer "GND" (solid, remove dead copper, pour order 19): 12683.2,6144.92 12649.7,6144.92 12649.7,6226.11 12713.53,6289.94 13038.09,6289.94 13108.59,6219.44 13108.59,6204.18 13086.35,6181.94 12708.26,6181.94 12702.76,6176.44 12702.76,6164.48
GND on Bottom Layer "GND" (solid, remove dead copper, pour order 18): 12714.54,7103.16 12671.17,7103.16 12671.17,7031.83 12735,6968 13059.56,6968 13130.07,7038.5 13130.07,7053.76 13107.82,7076 12729.73,7076 12724.23,7081.5 12724.23,7093.46
GND on Bottom Layer "GND" (solid, remove dead copper, pour order 16): 12856.94,6678.26 12851.38,6672.7 12851.38,6663.39 12860.24,6654.53 12873.03,6654.53 12876.97,6650.59 12876.97,6518.7 12936.02,6518.7 12938.98,6521.65 12938.98,6650.36 12926.18,6663.16 12903.89,6663.16 12888.78,6678.26
12V0 on Bottom Layer "12V0" (solid, remove dead copper, pour order 23): 12387.8,6382.87 12387.8,6433.12 12418.25,6463.58 12558.11,6463.58 12565,6456.69 12565,6394.72 12553.15,6382.87
12V0 on Bottom Layer "12V0" (solid, remove dead copper, pour order 24): 12663.39,6343.5 12663.39,6461.61 12796.3,6461.61 12840.59,6417.32 12840.59,6355.35 12828.74,6343.5
12V0 on Bottom Layer "12V0" (solid, remove dead copper, pour order 25): 12598.46,6853.82 12598.46,6773.11 12414.57,6773.11 12407.68,6780 12407.68,6841.97 12419.54,6853.82
12V0 on Bottom Layer "12V0" (solid, remove dead copper, pour order 26): 12616.54,6852.82 12616.54,6772.11 12803.43,6772.11 12810.32,6779 12810.32,6840.97 12798.46,6852.82
12V0 on Bottom Layer "12V0" (solid, remove dead copper, pour order 60): 11413.39,5165.35 10527.56,5165.35 10472.44,5110.24 10472.44,4929.42 12110.52,3291.34 12468.5,3291.34 12581.85,3404.68 12581.85,3996.89
5V0R on Bottom Layer "5V0R" (solid, remove dead copper, pour order 28): 9751.97,7275.59 9783.46,7307.09 9783.46,9129.92 9893.7,9240.16 10019.68,9240.16 10118.11,9141.73 10118.11,7188.98 10031.44,7102.31 9901.57,7102.31 1657.48,7102.31 1657.48,7275.59
no net on Bottom Layer "NetC46_2" (solid, pour order 10): 12281.32,7314.66
12V0 on Inner2 "12V0" (solid, remove dead copper, pour order 57): 1657.48,6945.98 1743.26,6945.98 1791.61,6897.64 9705.11,6897.64 9732.28,6924.81 9732.28,7034.09 9609.62,7156.75 1711.92,7156.75 1657.48,7102.31
5V0 on Inner2 "5V0" (solid, remove dead copper, pour order 37): 9450.76,3500.51 9290.46,3500.51 9083.96,3294.01 9083.96,2990.18 8847.72,2753.94 8612.2,2753.94 8564.96,2706.69 8564.96,2357.58 8647.74,2274.8 10133.07,2274.8 12433.07,4574.8 12433.07,4692.91 12385.83,4740.16 10690.4,4740.16
12V0 on Inner2 "12V0" (solid, remove dead copper, pour order 22): 12494,6831 12462,6799 12462,6361 12539,6284 12539,4621 12224,4306 12224,3593 12429,3388 12550,3388 12594,3432 12594,3518 13122,4046 13122,6791 13082,6831
GND on Inner2 "GND" (solid, remove dead copper, pour order 64): 1397.64,1606.3
GND on Inner2 "GND" (solid, remove dead copper, pour order 62): 16929.13,12992.13
GND on Inner2 "GND" (solid, remove dead copper, pour order 61): 1181.1,1181.1
3V3 on Inner5 "3V3" (solid, remove dead copper, pour order 43): 10424.82,6437.01 10330.71,6342.9 10330.71,6329.05 10424.82,6234.94 10424.82,6035.67 11128.09,6035.67 11254.32,5909.45 11472.44,5909.45 11952.76,6389.76 11952.76,7106.3 12145.67,7299.21 12767.72,7299.21 12866.14,7397.64 12866.14,7570.87 12740.16,7696.85 11742.91,7696.85 11467.32,7421.26 11358.27,7421.26 11122.05,7185.04 10931.1,7185.04 10844.49,7271.65 10775.59,7271.65 10424.82,6920.88
5V0R on Inner5 "5V0R" (solid, remove dead copper, pour order 35): 8976.38,3582.68 9039.37,3519.68 9039.37,3000 8996.06,2956.69 8622.05,2956.69 8551.18,2885.83 8551.18,2003.94 8838.58,2003.94 8838.58,1625.98 1986.71,1625.98 1986.71,2003.94 7921.26,2003.94 7921.26,2299.21 7921.26,3582.68
24V0 on Inner5 "24V0" (solid, remove dead copper, pour order 48): 11913.39,1181.1 16929.13,1181.1 16929.13,8047.24 16496.06,8047.24 16496.06,1547.24 16405.51,1456.69 13330.71,1456.69 12744.09,2043.31 12027.56,2043.31 11913.39,1929.13
12V0 on Inner5 "12V0" (solid, remove dead copper, pour order 58): 9086.61,6602.36 10035.43,5653.54 10299.21,5653.54 10480.32,5472.44 10480.31,4952.76 10515.75,4917.32 10578.74,4917.32 10759.84,5098.43 10759.84,5641.73 9799.21,6602.36 9476.38,6602.36 9346.46,6732.28 9346.46,6911.97 9380.47,6945.98 9387.32,6945.98 9682.6,6945.98 9696.85,6960.23 9696.85,7036.81 9590.83,7142.83 9481.41,7142.83 9428.12,7089.54 9284.47,7089.54 9267.72,7106.3 9118.11,7106.3 9086.61,7074.8
5V0R on Inner3 "5V0R" (solid, remove dead copper, pour order 47): 10405.15,4554.76 10070.2,4555.63 10027.56,4512.99 10027.56,4177.17 9700.79,3850.39 9294.95,3850.39 8865.81,3421.26 8807.09,3421.26 8755.91,3472.44 8755.91,3555.12 9212.6,4011.81 9637.8,4011.81 9795.28,4169.29 9795.28,4556.28 10156.32,4917.32 10543.31,4917.32 10633.86,5007.87 10633.86,5096.02 10564.62,5165.25 10523.89,5165.42 9255.91,6433.4 9255.91,7217.63 9313.13,7274.86 10024.35,7274.86 10307.09,6992.13 10307.09,6106.3 10637.79,5775.6 11290.06,5775.84 11605.8,5775.84 11747.78,5633.86 12127.54,5633.86 12147.23,5614.17 12147.23,5496.47 12496.06,5147.64 12496.06,4968.5 12334.65,4807.09 10657.48,4807.09
1V0 on Inner3 "1V0" (solid, remove dead copper, pour order 46): 11361.06,6850.94 11047.79,6850.94 10653.54,6456.69 10653.54,6150.1 10914.76,5888.88 11665.35,5888.88 11795.02,5759.22 12795.28,5759.22 12862.2,5826.15 12862.2,5900.64 12794,5968.84 12730.14,5968.84 12675.36,6023.62 12188.38,6023.62
1V0 on Inner3 "1V0" (solid, remove dead copper, pour order 45): 10921.26,6629.92
1V8 on Inner4 "1V8" (solid, remove dead copper, pour order 44): 11061.96,6708.57 10984.25,6630.86 10984.25,6247.12 11321.92,5909.45 11992.23,5909.45 12104.66,6021.88 12104.66,6381.22 11777.32,6708.57
3V3RPI on Inner4 "3V3RPI" (solid, remove dead copper, pour order 36): 10020.1,5578.74 10047.24,5605.88 10074.38,5578.74 10271.65,5578.74 10464.57,5385.83 10464.57,2173.23 9905.51,1614.17 8992.13,1614.17 8952.76,1653.54 8952.76,4039.37 9771.65,4858.27 9771.65,5500 9850.39,5578.74
12V0 on Inner4 "12V0" (solid, remove dead copper, pour order 59): 10492.13,4940.94
GND on Inner1 (split plane): 16856.97,12971.75 16863.46,12970.65 16869.79,12968.82 16875.88,12966.3 16881.64,12963.12 16887.01,12959.3 16891.92,12954.92 16896.31,12950 16900.12,12944.63 16903.31,12938.87 16905.83,12932.78 16907.65,12926.45 16908.76,12919.96 16909.09,12913.96 16909.04,12913.39 16909.04,1259.84 16909.09,1259.27 16908.76,1253.27 16907.65,1246.77 16905.83,1240.44 16903.31,1234.36 16900.12,1228.59 16896.31,1223.22 16891.92,1218.31 16887.01,1213.92 16881.64,1210.11 16875.88,1206.93 16869.79,1204.41 16863.46,1202.58 16856.97,1201.48 16850.97,1201.14 16850.39,1201.2 1268.17,1201.2 1201.2,1268.17 1201.2,12913.39 1201.14,12913.96 1201.48,12919.96 1202.58,12926.45 1204.41,12932.78 1206.93,12938.87 1210.11,12944.63 1213.92,12950 1218.31,12954.92 1223.22,12959.3 1228.59,12963.12 1234.36,12966.3 1240.44,12968.82 1246.77,12970.65 1253.27,12971.75 1259.27,12972.09 1259.84,12972.03 16850.39,12972.03 16850.97,12972.09
GND on Inner6 (split plane): 16856.97,12971.75 16863.46,12970.65 16869.79,12968.82 16875.88,12966.3 16881.64,12963.12 16887.01,12959.3 16891.92,12954.92 16896.31,12950 16900.12,12944.63 16903.31,12938.87 16905.83,12932.78 16907.65,12926.45 16908.76,12919.96 16909.09,12913.96 16909.04,12913.39 16909.04,1259.84 16909.09,1259.27 16908.76,1253.27 16907.65,1246.77 16905.83,1240.44 16903.31,1234.36 16900.12,1228.59 16896.31,1223.22 16891.92,1218.31 16887.01,1213.92 16881.64,1210.11 16875.88,1206.93 16869.79,1204.41 16863.46,1202.58 16856.97,1201.48 16850.97,1201.14 16850.39,1201.2 1268.17,1201.2 1201.2,1268.17 1201.2,12913.39 1201.14,12913.96 1201.48,12919.96 1202.58,12926.45 1204.41,12932.78 1206.93,12938.87 1210.11,12944.63 1213.92,12950 1218.31,12954.92 1223.22,12959.3 1228.59,12963.12 1234.36,12966.3 1240.44,12968.82 1246.77,12970.65 1253.27,12971.75 1259.27,12972.09 1259.84,12972.03 16850.39,12972.03 16850.97,12972.09

## Other copper
Top Layer:
  rectangle net GND: 10700.79,7196.85 10748.03,7606.3
  rectangle net GND: 12886.81,6803.17 12928.41,6863.83
  region net GND: 13064.72,7371.46 13064.72,7436.46 12998.72,7436.46 12998.72,7371.46
  region net GND: 13033.72,5832.46 13033.72,5897.46 12967.72,5897.46 12967.72,5832.46
  rectangle net GND: 11972.7,5999.22 12037.7,6065.22
  rectangle net GND: 11984,6688 12049,6754
  rectangle net GND: 12009,5318.9 12165,5476.38
  region net GND: 11587.98,4162.06 11411.98,4162.06 11411.98,3986.5 11587.98,3986.5
  region net GND: 11587.98,4614.82 11411.98,4614.82 11411.98,4439.26 11587.98,4439.26
  rectangle net GND: 12959.26,4439.26 13135.26,4614.82
  rectangle net GND: 12889.76,3834 13102.36,4000
  rectangle net GND: 13038,2490.44 13214,2666
  rectangle net GND: 12973,2018 13214,2145.67
  rectangle net GND: 16383.27,5722.44 16566.93,5822.83
  rectangle net GND: 16383.27,6312.99 16566.93,6413.39
  rectangle net GND: 16383.27,6903.54 16566.93,7003.94
  rectangle net GND: 16383.27,7494.09 16566.93,7594.49
  rectangle net GND: 16383.27,8084.65 16566.93,8185.04
  region net NetC24_1: 12960.96,6143.2 12705.06,6143.2 12705.06,5995.87 12960.96,5995.87
  region net NetC27_1: 12303.09,6072.73 12303.09,6328.64 12164.35,6328.64 12164.35,6072.73
  region net NetC30_1: 12314.39,6938.68 12314.39,7194.58 12175.65,7194.58 12175.65,6938.68
  rectangle net NetC33_1: 12726.2,7114.27 12982.1,7253
  region net 3V3: 12913.2,7357.76 12913.2,7452.68 12721.88,7452.68 12721.88,7357.76
  region net 1V0: 12882.22,5818.8 12882.22,5913.28 12690.9,5913.28 12690.9,5818.8
  rectangle net 1V8: 11958.99,6151.47 12053.48,6342.8
  rectangle net 2V5: 11970.29,6840.25 12064.78,7031.57
  rectangle net NetC11_1: 12470.87,1932.87 12862.2,2295.87
  rectangle net 24V0: 11913,1675 12389,2119
  region net GND: 13024.29,6676.98 13036.42,6689.11 13036.42,6722.37 13010.17,6722.37 12992.46,6704.66 12992.46,6676.98
  region net GND: 12856.94,6678.26 12851.38,6672.7 12851.38,6632.87 12871.06,6632.87 12888.78,6650.59 12888.78,6678.26
  region net 12V0: 12246.85,3720.47 12246.85,3510.24 12071.06,3334.45 12094.49,3311.02 12094.49,3295.47 12098.43,3291.54 12185.24,3291.54 12271.65,3377.95 12543.31,3377.95 12599,3433.65 12599,3523 12766,3690 12766,3950 12743.36,3972.64 12246.85,3972.64
  region: 12564.57,6747.83
  region: 12580.32,6500.2
  region net 5V0R: 12055.12,5012.8 12091.54,4976.38 12119.09,4976.38 12221.47,4874 12452.51,4874 12530.51,4952 12530.51,5119.49 12453,5197 12356,5197 12320.72,5232.28 12055.12,5232.28
  region net NetA3_1: 12468.31,4246.41 12468.31,4375.64 12533,4440.33 12533,4805 12827,5099 13021,5099 13098,5022 13098,4805 13021,4728 12892,4728 12783.46,4619.46 12783.46,4391.46 12580,4188 12526.72,4188
  region net NetC61_1: 12197.83,4349.41 12225.2,4376.77 12259.84,4376.77 12259.84,4431.89 12214.76,4431.89 12197.83,4448.82 12197.83,4510.83 12192,4516.67 12192,4674 12132,4734 11930.85,4734 11763.78,4566.93 11763.78,4488.19 11913.58,4338.39 12093.13,4338.39 12104.16,4349.41
  region net NetC14_1: 12162.6,3822.64 11902.36,3822.64 11763.78,3961.22 11763.78,4158.78 11821.54,4216.54 11912.8,4216.54 11960.63,4264.37 12094.49,4264.37 12102.95,4255.91 12189.09,4255.91 12207,4238 12258.67,4238 12398.62,4377.95 12411.27,4377.95 12413.58,4375.64 12413.58,4124.58 12333,4044 12203,4044 12162.6,4003.6
  region: 12522,3426
  region net NetA2_1: 12505,2390 12356,2539 12356,2978 12438,3060 12597,3060 12685,2972 12685,2795.32 12862.2,2618.11 12862.2,2539.37 12746.83,2424 12645.84,2424 12611.02,2389.17 12575,2389.17
  region: 12492.13,2389.17
  region net NetD3_1_1: 16657.48,5566.93 16629.92,5539.37 16566.43,5539.37 16491.63,5464.57 16464.57,5464.57 16439.67,5439.67 16439.67,5425.89 16429.13,5415.35 16389.76,5415.35 16324.61,5480.51 16324.61,5554.61 16358.27,5588.28 16513.47,5588.28 16559.06,5633.86 16625.98,5633.86 16657.48,5602.36
  region net NetD3_2_1: 16657.48,6157.48 16629.92,6129.92 16566.43,6129.92 16491.63,6055.12 16464.57,6055.12 16439.67,6030.22 16439.67,6016.44 16429.13,6005.91 16389.76,6005.91 16324.61,6071.06 16324.61,6145.17 16358.27,6178.83 16513.47,6178.83 16559.06,6224.41 16625.98,6224.41 16657.48,6192.91
  region net NetD3_3_1: 16657.48,6748.03 16629.92,6720.47 16566.43,6720.47 16491.63,6645.67 16464.57,6645.67 16439.67,6620.77 16439.67,6606.99 16429.13,6596.46 16389.76,6596.46 16324.61,6661.61 16324.61,6735.72 16358.27,6769.38 16513.47,6769.38 16559.06,6814.96 16625.98,6814.96 16657.48,6783.46
  region net NetD3_4_1: 16657.48,7338.58 16629.92,7311.02 16566.43,7311.02 16491.63,7236.22 16464.57,7236.22 16439.67,7211.32 16439.67,7197.54 16429.13,7187.01 16389.76,7187.01 16324.61,7252.17 16324.61,7326.27 16358.27,7359.93 16513.47,7359.93 16559.06,7405.51 16625.98,7405.51 16657.48,7374.02
  region net NetD3_5_1: 16657.48,7929.13 16629.92,7901.57 16566.43,7901.57 16491.63,7826.77 16464.57,7826.77 16439.67,7801.87 16439.67,7788.09 16429.13,7777.56 16389.76,7777.56 16324.61,7842.72 16324.61,7916.82 16358.27,7950.48 16513.47,7950.48 16559.06,7996.06 16625.98,7996.06 16657.48,7964.57
  text "1" at 1586.74,12898.88 h40
Inner2:
  text "3" at 1625.98,12898.88 h40
Inner3:
  text "4" at 1645.67,12898.88 h40
Inner4:
  region: 10874.02,6087.6
  region: 10874.02,6087.6
  region: 10874.02,6087.6
  region: 10874.02,6087.6
  region: 10874.02,6087.6
  region: 10874.02,6087.6
  text "5" at 1665.1,12898.88 h40
Inner5:
  text "6" at 1645.42,12898.88 h40
Bottom Layer:
  region net 1V0: 12823.57,5936.46 12658.83,5936.46 12658.83,5814 12823.57,5814
  region net 1V8: 12076.66,6210.13 12076.66,6374.86 11954.2,6374.86 11954.2,6210.13
  region net 2V5: 12087.96,6898.91 12087.96,7063.64 11965.5,7063.64 11965.5,6898.91
  rectangle net 3V3: 12696.27,7350.54 12861,7473
  region net NetC33_1: 12984.79,7294.54 12996.06,7283.27 12996.06,7244.29 13020.36,7220 13026.58,7220 13073.22,7219.6 13102.18,7190.64 13102.18,7147.34 13088.85,7134 12703,7134 12692.83,7123.83 12650.31,7123.83 12643.65,7117.17 12632.83,7117.17 12632.83,7138.83 12643.65,7138.83 12678,7173.17 12678,7258 12714.54,7294.54
  region net NetC24_1: 13034.66,6020.45 12992.56,6020.45 12964.57,5992.46 12681.54,5992.46 12640,6034 12640,6097 12626.51,6110.49 12611.54,6110.49 12611.54,6121.31 12622.36,6132.14 12623.5,6131 13060.18,6131 13081.04,6110.14 13081.04,6066.83
  region net NetC27_1: 12132.66,6377.63 12090.55,6419.74 12090.55,6459.37 12141.76,6459.37 12145.67,6455.46 12145.67,6442.15 12199.04,6388.78 12231.3,6388.78 12252.95,6410.43 12252.95,6421.26 12274.61,6421.26 12274.61,6408.46 12264.44,6398.3 12264.44,6381.22 12272,6373.67 12272,5952.65 12216.87,5952.65 12132.66,6036.86
  region: 12132.66,6259.74
  region net NetC30_1: 12281.32,7314.66 12226.66,7314.66 12143.96,7231.96 12143.96,6914.37 12220.26,6838.07 12261.63,6838.07 12272.46,6827.24 12283.28,6827.24 12294.11,6838.07 12294.11,6922.32 12298.23,6926.43 12298.23,7297.75
  text "8" at 1606.17,12898.88 h40
Inner1 (plane layer: these items are gaps in the copper):
  text "2" at 1606.3,12898.88 h40
Inner6 (plane layer: these items are gaps in the copper):
  text "7" at 1625.73,12898.88 h40

## Silkscreen, mask and mechanical layers (free items; w line width, h text height)
Top Overlay:
  text "LED1" at 16746.51,9212.6 h78.74
  text "LED2" at 16742.83,8228.35 h78.74
  text "JTAG" at 10937.18,7839.43 h78.74
  text "PROG" at 11529.9,6293.79 h78.74
  text "DONE" at 11212.8,6085.49 h78.74
  text "3V3" at 11516.93,5475.62 h78.74
  text "2V5" at 11508.98,5376.83 h78.74
  text "1V8" at 11518.9,5278.4 h78.74
  text "1V0" at 11518.9,5179.98 h78.74
  text "5V0R" at 11476.38,5075.65 h78.74
  text "5V0" at 11515.75,4973.29 h78.74
  text "SMBUS" at 10034.9,4548.09 h78.74
Bottom Overlay:
  rectangle: 4272.91,3057.09 5847.71,3332.68
  lines w19.68: 4174.48,2151.57 4174.48,3431.1 6448.1,3431.1 6448.1,2151.57 4174.48,2151.57
  text "S/N :" at 6349.68,3133.53 h196.85
  text "Project : .Project_Number" at 6349.68,2826.61 h196.85
  text "Revision : V.MajorRevision" at 6349.68,2519.69 h196.85
  text "Name : .Project_Name" at 6349.68,2250 h196.85
Board Outline:
  lines w0.5: 16850.39,1181.1 1259.84,1181.1 1181.1,1259.84 1181.1,12913.39 cw(c1259.84,12913.39) 1259.84,12992.13 16850.39,12992.13 cw(c16850.39,12913.39) 16929.13,12913.39 16929.13,1259.84
Top References:
  circle w0.5: c9055.12,1377.95 r66.93
  circle w0.5: c16732.28,1377.95 r66.93
  circle w0.5: c16732.28,12795.28 r66.93
  circle w0.5: c9055.12,12795.28 r66.93
  circle w0.5: c1377.95,12795.28 r66.93
  circle w0.5: c1377.95,1377.95 r66.93

## Text inside footprints (layer, text, board x,y; h text height)
C11: Top Overlay "+" at 12807.09,2055.12 h60 r180; Top Overlay "-" at 13137.8,2059.06 h60 r180
C12: Top Overlay "+" at 12807.09,2527.56 h60 r180; Top Overlay "-" at 13137.8,2531.5 h60 r180
C14: Top Overlay "+" at 11818.9,4125.98 h60; Top Overlay "-" at 11488.19,4122.05 h60
C15: Top Overlay "+" at 12728.35,4476.38 h60 r180; Top Overlay "-" at 13059.06,4480.31 h60 r180
C16: Top Overlay "+" at 12135.83,5183.07 h60 r270; Top Overlay "-" at 12133.86,5413.39 h60 r270
C61: Top Overlay "+" at 11818.9,4578.74 h60; Top Overlay "-" at 11488.19,4574.8 h60
X30: Top Overlay "64" at 7480.32,4335.26 h78.74; Top Overlay "63" at 7401.58,4040.33 h78.74; Top Overlay "62" at 7322.84,3744.82 h78.74; Top Overlay "61" at 7243.92,3449.5 h78.74; Top Overlay "60" at 7165.36,4335.26 h78.74; Top Overlay "59" at 7086.62,4040.33 h78.74; Top Overlay "58" at 7007.88,3744.82 h78.74; Top Overlay "57" at 6928.96,3449.5 h78.74; Top Overlay "56" at 6850.4,4335.26 h78.74; Top Overlay "55" at 6771.66,4040.33 h78.74; Top Overlay "54" at 6692.92,3744.82 h78.74; Top Overlay "53" at 6614,3449.5 h78.74; Top Overlay "52" at 6535.44,4335.26 h78.74; Top Overlay "51" at 6456.7,4040.33 h78.74; Top Overlay "50" at 6377.96,3744.82 h78.74; Top Overlay "49" at 6299.04,3449.5 h78.74; Top Overlay "48" at 6220.48,4335.26 h78.74; Top Overlay "47" at 6141.74,4040.33 h78.74; Top Overlay "46" at 6063,3744.82 h78.74; Top Overlay "45" at 5984.08,3449.5 h78.74; Top Overlay "44" at 5905.52,4335.26 h78.74; Top Overlay "43" at 5826.78,4040.33 h78.74; Top Overlay "42" at 5748.04,3744.82 h78.74; Top Overlay "41" at 5669.12,3449.5 h78.74; Top Overlay "40" at 5590.56,4335.26 h78.74; Top Overlay "39" at 5511.82,4040.33 h78.74; Top Overlay "38" at 5433.08,3744.82 h78.74; Top Overlay "37" at 5354.15,3449.5 h78.74; Top Overlay "36" at 5275.6,4335.26 h78.74; Top Overlay "35" at 5196.86,4040.33 h78.74; Top Overlay "34" at 5118.12,3744.82 h78.74; Top Overlay "33" at 5039.19,3449.5 h78.74; Top Overlay "32" at 4960.64,4335.26 h78.74; Top Overlay "31" at 4881.9,4040.33 h78.74; Top Overlay "30" at 4803.16,3744.82 h78.74; Top Overlay "29" at 4724.23,3449.5 h78.74; Top Overlay "28" at 4645.68,4335.26 h78.74; Top Overlay "27" at 4566.94,4040.33 h78.74; Top Overlay "26" at 4488.2,3744.82 h78.74; Top Overlay "25" at 4409.27,3449.5 h78.74; Top Overlay "24" at 4330.72,4335.26 h78.74; Top Overlay "23" at 4251.98,4040.33 h78.74; Top Overlay "22" at 4173.24,3744.82 h78.74; Top Overlay "21" at 4094.31,3449.5 h78.74; Top Overlay "20" at 4015.76,4335.26 h78.74; Top Overlay "19" at 3937.02,4040.33 h78.74; Top Overlay "18" at 3858.28,3744.82 h78.74; Top Overlay "17" at 3779.35,3449.5 h78.74; Top Overlay "16" at 3700.8,4335.26 h78.74; Top Overlay "15" at 3622.06,4040.33 h78.74; Top Overlay "14" at 3543.32,3744.82 h78.74; Top Overlay "13" at 3464.39,3449.5 h78.74; Top Overlay "12" at 3385.83,4335.26 h78.74; Top Overlay "11" at 3307.09,4040.33 h78.74; Top Overlay "10" at 3228.35,3744.82 h78.74; Top Overlay "9" at 3149.43,3449.5 h78.74; Top Overlay "8" at 3070.87,4335.26 h78.74; Top Overlay "7" at 2992.13,4040.33 h78.74; Top Overlay "6" at 2913.39,3744.82 h78.74; Top Overlay "5" at 2834.47,3449.5 h78.74; Top Overlay "7" at 7480.31,2170.43 h78.74; Top Overlay "6" at 7480.31,2317.05 h78.74; Top Overlay "5" at 7480.31,2465.08 h78.74; Top Overlay "4" at 7480.31,2613.8 h78.74; Top Overlay "3" at 7480.31,2761.12 h78.74; Top Overlay "2" at 7480.31,2909.14 h78.74; Top Overlay "1" at 7480.31,3055.75 h78.74; Top Overlay "0" at 7480.31,3203.77 h78.74; Top Overlay "1" at 2519.5,3449.51 h78.74; Top Overlay "2" at 2598.43,3744.83 h78.74; Top Overlay "3" at 2677.17,4040.34 h78.74; Top Overlay "4" at 2755.91,4335.27 h78.74